# Altium PCB MOTHER_BOARD_LS1021_v1.0.PcbDoc (part 8 of 15)
Units mm, origin at the board's own origin, x right, y up, seen from the top; angles counter-clockwise.
Board outline 285 x 90.6 mm, 10 copper layers (TOP, GND1, SIGNAL1, GND+PWR1, POWER1, POWER2, GND+PWR2, SIGNAL2, GND2, BOTTOM), stack 1.739 mm thick; 1099 components, 832 nets, 4657 pads, 2737 vias.
Unrouted connection lines stored in the file: 7.
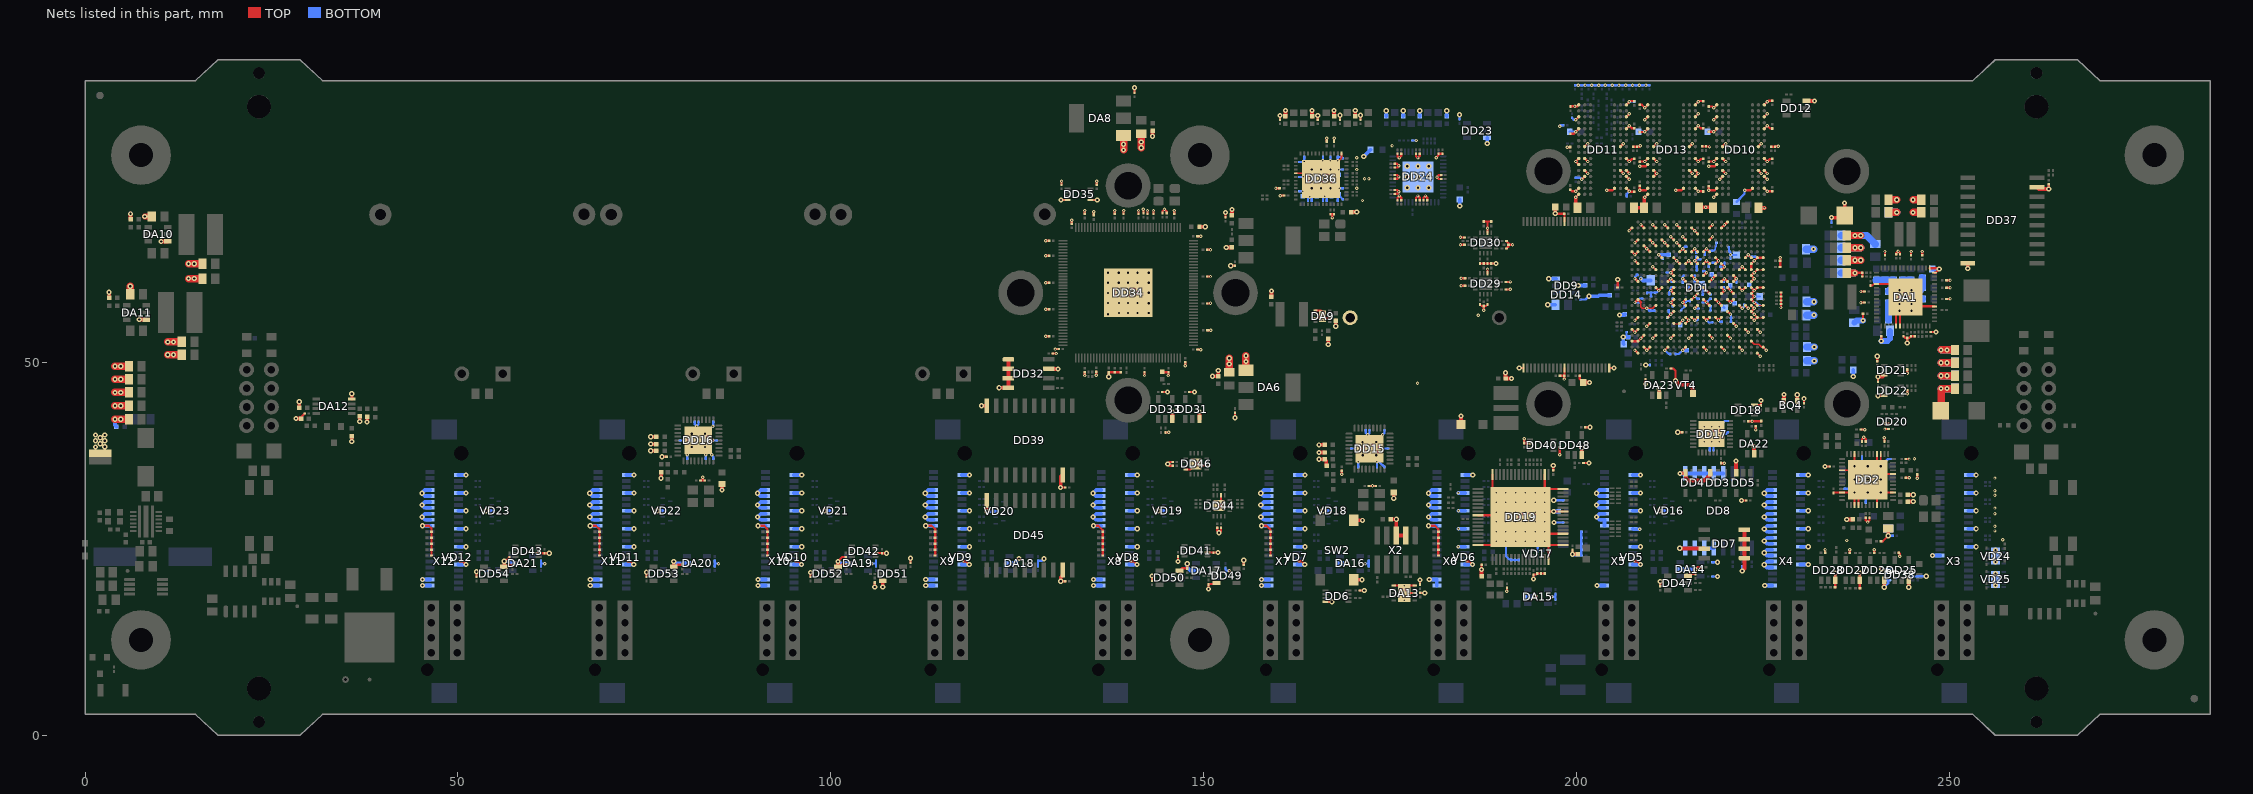
[diagram p16: the nets of this part, all layers, seen from the top]

## Via types
v1: diameter 0.45, hole 0.2, TOP to BOTTOM, tented both sides, 1587 vias
v2: diameter 0.7, hole 0.3, TOP to BOTTOM, tented both sides, 1134 vias
v3: diameter 0.45, hole 0.2, TOP to BOTTOM, tented bottom, 16 vias

## Nets (pads, with @x,y where several pads share a name; then routed paths per layer and width w, separated by ;. In a path a pad name is that pad's centre, name@x,y a point inside that pad or via, vN(x,y) a via of type N, cw(c..) or ccw(c..) an arc to the next point about the centre after c; other vN are vias at no path point) (continued)
GND: BQ4.1 BQ4.2 C1.1 C2.1 C3.2 C4.1 C5.2 C6.1 C7.2 C8.1 C9.1 C10.1 C11.1 C12.1 C13.1 C16.1 C17.1 C18.1 C19.1 C20.2 C21.1 C22.1 C23.1 C24.1 C28.1 C29.1 C30.1 C31.1 C32.1 C33.1 C34.1 C35.1 C36.1 C37.1 C38.1 C40.1 C41.1 C42.1 C43.1 C44.1 C45.1 C47.1 C49.1 C55.1 C57.2 C58.1 C59.1 C60.1 C61.1 C63.2 C64.2 C65.2 C66.1 C67.2 C68.2 C69.2 C70.1 C72.2 C73.1 C74.1 C75.1 C76.1 C77.1 C78.2 C79.2 C83.1 C85.2 C86.2 C88.2 C89.2 C90.1 C91.1 C92.2 C93.1 C94.1 C95.2 C96.2 C97.2 C98.2 C99.1 C100.2 C101.1 C102.1 C103.2 C104.2 C105.2 C106.2 C107.1 C108.2 C109.2 C110.1 C111.1 C112.1 C113.1 C114.1 C115.1 C116.1 C117.2 C118.1 C119.1 C120.1 C121.1 C122.1 C123.1 C124.2 C125.1 C126.1 C127.1 C128.1 C129.1 C130.1 C131.1 C132.2 C133.1 C134.2 C135.1 C136.2 C137.1 C138.2 C139.1 C140.1 C141.1 C142.1 C143.1 C144.1 C145.1 C146.2 C147.1 C148.2 C149.1 C150.2 C151.1 C152.2 C153.1 C154.1 C155.1 C156.1 C157.1 C158.1 C159.2 C160.1 C161.2 C162.1 C163.2 C164.1 C165.2 C166.2 C167.1 C168.1 C169.1 C170.1 C171.2 C172.1 C173.2 C174.1 C175.2 C176.1 C177.1 C178.2 C179.1 C180.1 C181.2 C182.1 C183.2 C184.1 C185.2 C186.1 C187.2 C188.1 C189.2 C190.1 C191.1 C192.1 C193.1 C194.1 C195.1 C196.1 C197.1 C198.1 C199.1 C200.1 C201.1 C202.1 C203.1 C204.2 C205.2 C206.1 C207.2 C208.2 C209.1 C210.2 C211.2 C212.2 C213.1 C214.1 C215.1 C216.2 C217.1 C218.1 C219.1 C220.2 C221.1 C222.1 C223.1 C224.1 C225.1 C226.1 C227.1 C228.1 C229.2 C230.1 C231.1 C232.2 C233.1 C234.1 C236.1 C237.2 C238.1 C239.1 C240.1 C241.2 C242.1 C243.1 C244.1 C245.1 C246.1 C247.1 C248.1 C249.1 C250.1 C251.1 C252.1 C253.1 C254.1 C255.1 C256.1 C257.1 C258.1 C259.1 C260.1 C261.1 C262.1 C263.1 C264.1 C265.1 C266.1 C267.1 C268.1 C269.1 C270.1 C271.2 C272.2 C273.2 C274.2 C275.2 C276.2 C277.2 C278.2 C279.2 C280.2 C281.2 C282.2 C283.2 C284.2 C285.2 C286.2 C287.2 C288.2 C289.1 C290.1 C291.2 C292.2 C293.2 C294.2 C295.2 C296.2 C297.2 C298.2 C299.2 C300.2 C301.2 C302.2 C303.1 C304.1 C305.2 C306.2 C307.2 C308.1 C310.1 C311.2 C312.2 C313.2 C314.2 C315.1 C316.2 C317.2 C318.2 C319.1 C320.1 C321.1 C323.2 C324.2 C325.2 C326.2 C327.2 C336.1 C337.1 C338.1 C339.1 C340.2 C342.1 C343.2 C344.2 C345.2 C346.2 C347.2 C348.2 C349.2 C350.2 C351.2 C352.2 C353.2 C354.2 C355.2 C356.2 C357.2 C358.2 C359.2 C360.2 C361.2 C362.2 C363.2 C364.2 C365.2 C366.2 C367.1 C368.2 C369.2 C370.2 C371.1 C372.1 C373.2 C374.1 C375.1 C376.1 C377.1 C378.1 C379.1 C380.1 C381.1 C382.1 C383.1 C384.1 C385.1 C386.1 C387.1 C388.1 C389.1 C390.1 C391.1 C392.1 C393.1 C394.1 C395.1 C396.2 C397.1 C398.1 C399.2 C400.1 C401.2 C402.1 C403.1 C404.1 C405.1 C406.1 C407.1 C408.2 C409.2 C410.2 C411.2 C412.1 C413.1 C414.1 C415.1 C416.1 C417.1 C418.1 C419.1 C420.2 C421.1 C430.1 C431.1 C432.1 C433.1 C434.1 C435.1 C436.1 C437.1 C438.1 C439.1 C440.1 C505.1 C506.2 C507.2 C508.2 C509.2 C510.2 C511.2 C512.2 C513.2 C514.2 C515.2 C516.2 C517.2 C518.2 C519.2 C520.2 C521.2 C522.2 C523.2 C524.2 C525.2 C526.2 C527.2 C528.2 C529.2 DA1.5 DA1.14 DA1.15 DA1.32 DA1.47 DA1.48 DA1.57 DA6.1 DA8.1 DA9.1 DA9.3 DA9.6 DA9.9 DA10.1 DA11.1 DA12.4 DA13.3 DA13.5 DA13.6 DA13.11 DA14.2 DA15.2 DA16.2 DA17.2 DA18.2 DA19.2 DA20.2 DA21.2 DA22.2 DA23.2 DD1.A3 DD1.A5 DD1.A18 DD1.A22 DD1.AA3 DD1.AA7 DD1.AA8 DD1.AA9 DD1.AA10 DD1.AA11 DD1.AA12 DD1.AA13 DD1.AA14 DD1.AA15 DD1.AA16 DD1.AA17 DD1.AB1 DD1.AB5 DD1.AB7 DD1.AB9 DD1.AB12 DD1.AB15 DD1.AB17 DD1.AC2 DD1.AC7 DD1.AC9 DD1.AC12 DD1.AC15 DD1.AC17 DD1.B1 DD1.B3 DD1.B5 DD1.B7 DD1.B10 DD1.B13 DD1.B16 DD1.B18 DD1.B20 DD1.C2 DD1.C4 DD1.C19 DD1.C22 DD1.D2 DD1.D6 DD1.D18 DD1.D20 DD1.E4 DD1.E9 DD1.E12 DD1.E15 DD1.E19 DD1.E22 DD1.F12 DD1.F17 DD1.F20 DD1.G2 DD1.G7 DD1.G13 DD1.G19 DD1.G22 DD1.H4 DD1.H6 DD1.H8 DD1.H9 DD1.H10 DD1.H11 DD1.H12 DD1.H13 DD1.H14 DD1.H15 DD1.H17 DD1.H20 DD1.J6 DD1.J16 DD1.J18 DD1.J19 DD1.J22 DD1.K2 DD1.K6 DD1.K7 DD1.K9 DD1.K10 DD1.K13 DD1.K16 DD1.K18 DD1.K20 DD1.L4 DD1.L7 DD1.L10 DD1.L12 DD1.L14 DD1.L16 DD1.L18 DD1.L22 DD1.M7 DD1.M9 DD1.M11 DD1.M13 DD1.M16 DD1.M17 DD1.M18 DD1.M21 DD1.N2 DD1.N7 DD1.N10 DD1.N12 DD1.N14 DD1.N16 DD1.N18 DD1.P4 DD1.P7 DD1.P9 DD1.P11 DD1.P13 DD1.P16 DD1.P18 DD1.P20 DD1.P22 DD1.R7 DD1.R10 DD1.R14 DD1.R16 DD1.R17 DD1.T2 DD1.T7 DD1.T9 DD1.T11 DD1.T12 DD1.T13 DD1.T15 DD1.T16 DD1.T22 DD1.U4 DD1.U8 DD1.U10 DD1.U12 DD1.U13 DD1.U23 DD1.V6 DD1.V10 DD1.V11 DD1.V13 DD1.V14 DD1.W2 DD1.W9 DD1.W12 DD1.W15 DD1.Y5 DD1.Y9 DD1.Y12 DD1.Y15 DD1.Y17 DD2.3 DD2.8 DD2.15 DD2.16 DD2.22 DD2.28 DD2.34 DD2.39 DD2.40 DD2.45 DD2.49 DD3.3 DD4.3 DD5.3 DD6.4 DD7.1 DD7.2 DD7.3 DD7.4 DD7.7 DD8.5 DD8.6 DD8.7 DD8.8 DD8.9 DD8.10 DD8.11 DD8.12 DD8.13 DD9.3 DD10.A9 DD10.B1 DD10.B3 DD10.B9 DD10.D1 DD10.D8 DD10.E1 DD10.E2 DD10.E8 DD10.F9 DD10.G1 DD10.G8 DD10.G9 DD10.J2 DD10.J8 DD10.M1 DD10.M9 DD10.P1 DD10.P9 DD10.T1 DD10.T9 DD11.A9 DD11.B1 DD11.B3 DD11.B9 DD11.D1 DD11.D8 DD11.E1 DD11.E2 DD11.E8 DD11.F9 DD11.G1 DD11.G8 DD11.G9 DD11.J2 DD11.J8 DD11.M1 DD11.M9 DD11.P1 DD11.P9 DD11.T1 DD11.T9 DD12.3 DD13.A9 DD13.B1 DD13.B3 DD13.B9 DD13.D1 DD13.D8 DD13.E1 DD13.E2 DD13.E8 DD13.F9 DD13.G1 DD13.G8 DD13.G9 DD13.J2 DD13.J8 DD13.M1 DD13.M9 DD13.P1 DD13.P9 DD13.T1 DD13.T9 DD14.13 DD14.25 DD14.36 DD14.48 DD15.37 DD16.37 DD17.33 DD18.3 DD19.16 DD19.17 DD19.20 DD19.26 DD19.32 DD19.34 DD19.48 DD19.56 DD19.64 DD19.65 DD20.1 DD21.3 DD22.3 DD23.3 DD24.49 DD25.3 DD26.3 DD27.3 DD28.3 DD29.6 DD30.6 DD31.3 DD32.1 DD32.2 DD32.3 DD32.4 DD32.7 DD33.3 DD34.145 DD35.4 DD35.5 DD36.13 DD36.29 DD36.49 DD37.10 DD37.19 DD38.1 DD38.4 DD38.7 DD39.10 DD39.19 DD40.2 DD41.2 DD42.2 DD43.2 DD44.6 DD44.17 DD45.10 DD45.19 DD46.6 DD46.16 DD46.17 DD47.3 DD48.3 DD49.3 DD50.3 DD51.3 DD52.3 DD53.3 DD54.3 K1.2 R15.2 R16.1 R18.1 R19.1 R21.2 R28.1 R33.2 R35.2 R37.2 R38.2 R39.1 R40.1 R41.1 R52.2 R53.2 R56.2 R61.1 R62.2 R68.1 R69.1 R70.1 R71.1 R87.2 R91.1 R92.1 R94.1 R95.1 R99.1 R143.1 R144.1 R145.1 R146.1 R147.1 R148.1 R149.1 R150.1 R151.1 R152.1 R159.1 R160.1 R165.1 R166.1 R167.1 R168.1 R169.1 R170.1 R171.1 R172.1 R175.1 R176.2 R178.2 R180.1 R200.1 R201.1 R202.1 R205.1 R207.1 R209.1 R222.2 R223.2 R224.2 R225.2 R230.2 R236.2 R241.1 R244.1 R247.1 R248.2 R249.2 R250.2 R251.2 R252.2 R253.2 R254.2 R255.2 R256.2 R257.2 R258.2 R259.2 R260.2 R261.2 R262.2 R263.2 R264.2 R265.2 R266.2 R267.2 R269.1 R274.1 R276.1 R277.1 R279.1 R280.2 R281.2 R282.2 R288.2 R290.2 R299.1 R300.1 R301.1 R302.1 R303.1 R304.1 R305.1 R306.1 R307.1 R308.1 R309.1 R310.1 R311.1 R312.1 R313.1 R315.1 R316.1 R317.1 R318.1 R319.1 R329.1 R331.1 R333.1 R335.1 R337.1 R338.1 R339.1 R340.1 R341.1 R342.1 R343.1 R344.1 R345.1 R346.1 R348.1 R350.1 R352.1 R354.1 R355.1 R356.1 R357.1 R358.1 R359.1 R360.1 R361.1 R362.1 R363.1 R364.1 SW2.2 SW2.4 VD5.4 VD6.4 VD7.4 VD8.4 VD9.4 VD10.4 VD11.4 VD12.4 VD14.2 VD16.3 VD17.3 VD18.3 VD19.3 VD20.3 VD21.3 VD22.3 VD23.3 VD24.11 VD25.11 VT4.2 X1.2 X2.3 X2.5 X3.11 X3.16 X3.22 X3.28 X3.34 X3.40 X4.1 X4.7 X4.9 X4.10 X4.11 X4.13 X4.15 X4.16 X4.17 X4.19 X4.21 X4.22 X4.23 X4.25 X4.27 X4.28 X4.29 X4.31 X4.33 X4.34 X4.40 X5.1 X5.10 X5.16 X5.21 X5.22 X5.23 X5.25 X5.27 X5.28 X5.29 X5.31 X5.33 X5.34 X5.40 X6.1 X6.3 X6.10 X6.16 X6.21 X6.22 X6.23 X6.25 X6.27 X6.28 X6.29 X6.31 X6.33 X6.34 X6.40 X7.1 X7.3 X7.10 X7.16 X7.21 X7.22 X7.23 X7.25 X7.27 X7.28 X7.29 X7.31 X7.33 X7.34 X7.40 X8.1 X8.3 X8.10 X8.16 X8.21 X8.22 X8.23 X8.25 X8.27 X8.28 X8.29 X8.31 X8.33 X8.34 X8.40 X9.1 X9.3 X9.10 X9.16 X9.21 X9.22 X9.23 X9.25 X9.27 X9.28 X9.29 X9.31 X9.33 X9.34 X9.40 X10.1 X10.3 X10.10 X10.16 X10.21 X10.22 X10.23 X10.25 X10.27 X10.28 X10.29 X10.31 X10.33 X10.34 X10.40 X11.1 X11.3 X11.10 X11.16 X11.21 X11.22 X11.23 X11.25 X11.27 X11.28 X11.29 X11.31 X11.33 X11.34 X11.40 X12.1 X12.3 X12.10 X12.16 X12.21 X12.22 X12.23 X12.25 X12.27 X12.28 X12.29 X12.31 X12.33 X12.34 X12.40 | length 976
  TOP w0.15: DD1.H6@213.075,55.225 DD1.J6@213.85,55.225 ; DD1.AB9@224.25,57.65 DD1.AC9@225.05,57.65 ; DD1.AB15@224.25,62.45 DD1.AC15@225.05,62.45 ; DD1.AB7@224.3,56 DD1.AC7@225,56
  TOP w0.17: 208.65,58.05 208.65,57.45 208.85,57.25 v1(209.45,57.25) 210.25,57.25 DD1.E9@210.65,57.65 ; DD1.AA3@223.45,52.85 223.85,52.45 224.425,52.45 224.825,52.05 DD1.AC2@225.05,52.05
  TOP w0.25: DD46.16@147.6,35.65 148.25,35.65 v1(148.525,35.925) ; v1(149.475,35.925) 149.7,36.15 DD46.6@150.4,36.15 ; DD44.17@152.075,30.8 152.325,31.05 DD44.6@152.325,32.2 ; DD36.29@162.35,75.375 165,75.375 v2(165.75,74.625) ; DA9.3@165,55.95 165.7,55.95 DA9.9@165.95,56.2 166.2,55.95 DA9.6@166.9,55.95 ; DA9.1@165,56.95 165.775,56.95 165.95,56.775 v1(165.95,56.75) ; DD36.49@167.35,76.275 168.5,77.425 DD36.13@168.5,78.025 ; DA13.6@175.525,20.075 176.875,20.075 v1(176.925,20.025) 176.975,20.075 DA13.5@178.325,20.075 ; v1(177.5,19.075) DA13.3@178.325,19.075 ; R258.2@187.075,57.775 187.275,57.575 C367.1@187.575,57.575 187.875,57.575 R253.2@188.075,57.775 ; DD29.6@188.075,61.95 v1(188.075,62.525) ; DD30.6@188.075,67.425 v1(188.075,68) ; C201.1@234.475,32.5 234.475,32.525 234.5,32.55 DD2.34@235.625,32.55 v2(237.3,32.55) ; DD2.28@235.625,35.55 237.8,35.55 v2(239.05,34.3) ; DD2.39@237.3,30.875 v2(237.3,32.55) ; v2(237.3,36.075) DD2.22@237.3,37.725 ; DD2.40@237.8,30.875 237.8,32.05 v2(237.3,32.55) ; C55.1@239.45,60.325 239.7,60.325 239.9,60.525 DA1.32@240.25,60.525 242.375,60.525 v2(244.125,58.775) ; DD2.45@240.3,30.875 240.3,33.05 v2(239.05,34.3) ; DD2.16@240.3,37.725 DD2.49@240.3,35.55 ; v2(240.8,32.55) DD2.3@242.475,32.55 ; DD2.15@240.8,37.725 240.8,36.05 DD2.49@240.3,35.55 ; DD2.8@242.475,35.05 DD2.49@239.8,35.05 ; DA1.47@242.875,54.9 242.875,56.475 v2(243.325,56.925) 243.375,56.875 DA1.48@243.375,54.9 ; v2(239.05,34.3) DD2.49@239.8,35.05 ; DD2.49@239.8,35.05 DD2.49@240.3,35.55
  TOP w0.3: C91.1@29,42.525 29,42.7 C90.1@29.45,43.15 ; v2(45.25,28.1) 46.1,28.1 46.475,27.725 R364.1@46.475,27.3 R363.1@46.475,26.5 R362.1@46.475,25.7 R361.1@46.475,24.9 R360.1@46.475,24.1 ; VD12.4@50.225,23.35 50.625,23.35 v2(51.075,22.9) ; C528.2@52.5,21.25 v2(52.5,21.925) ; DD54.3@56.2,22.6 56.425,22.6 56.675,22.85 R354.1@57.325,22.85 ; v2(56.2,23.35) 56.277,23.427 56.427,23.427 56.875,23.875 56.9,23.875 C515.2@56.9,23.9 ; DD43.2@60.825,24.45 61.075,24.45 61.1,24.425 C510.2@61.625,24.425 v2(62.25,24.425) ; v2(67.75,28.1) 68.5,28.1 68.975,27.625 R359.1@68.975,27.3 R358.1@68.975,26.5 R357.1@68.975,25.709 R356.1@68.975,24.9 R355.1@68.975,24.1 ; VD11.4@72.725,23.35 73.125,23.35 v2(73.575,22.9) ; C527.2@75.3,21.25 v2(75.3,21.875) ; v2(77.375,37.35) C290.1@77.975,37.35 ; DD53.3@78.95,22.6 79.175,22.6 79.45,22.875 R352.1@80.1,22.875 ; C300.2@82.525,34.175 82.822,34.175 ; v1(82.822,34.597) 82.822,34.175 ; C299.2@83.125,34.175 82.822,34.175 ; v2(90.25,28.1) 91.075,28.1 91.5,27.675 R346.1@91.5,27.3 R345.1@91.5,26.5 R344.1@91.5,25.7 R343.1@91.5,24.9 R342.1@91.5,24.1 ; VD10.4@95.225,23.35 95.625,23.35 v2(96.075,22.9) ; C526.2@97.3,21.25 v2(97.3,21.85) ; DD52.3@100.975,22.6 101.2,22.6 101.5,22.9 R350.1@102.1,22.9 ; v2(100.975,23.325) 101.55,23.9 C514.2@102.025,23.9 ; v2(105.9,19.875) R348.1@105.9,20.475 ; DD42.2@105.975,24.45 106.85,24.45 C509.2@106.875,24.425 v2(107.475,24.425) ; C525.2@110.7,23.15 v2(110.7,23.75) ; v2(112.75,28.1) 113.525,28.1 114,27.625 R341.1@114,27.3 R340.1@114,26.5 R339.1@114,25.7 R338.1@114,24.9 R337.1@114,24.1 ; VD9.4@117.725,23.35 118.125,23.35 v2(118.575,22.9) ; v1(128.825,53.525) C394.1@129.275,53.525 ; v1(128.825,57.125) C391.1@129.275,57.125 ; v1(128.825,60.7) C389.1@129.275,60.7 ; v1(128.825,64.325) C386.1@129.275,64.325 ; v1(128.825,66.325) C384.1@129.275,66.325 ; C368.2@129.775,51.2 v1(130.225,51.2) ; v1(130.125,51.8) C381.1@130.575,51.8 ; v2(130.825,33.225) C511.2@131.425,33.225 ; v2(130.85,20.65) C517.2@131.45,20.65 ; v2(130.875,71.8) DD35.4@131.75,71.8 ; C401.2@130.95,73.85 v1(130.95,74.3) ; C388.1@132.325,68.625 v1(132.325,69.075) ; v1(134.075,48.25) C376.1@134.075,48.7 ; C398.1@134.075,69.925 v1(134.075,70.375) ; DD35.5@134.85,71.8 v2(135.725,71.8) ; v2(135.25,28.1) 135.875,28.1 136.475,27.5 R319.1@136.475,27.3 R318.1@136.475,26.5 R317.1@136.475,25.7 R316.1@136.475,24.9 R315.1@136.475,24.1 ; R276.1@135.275,69.775 v1(135.275,70.225) ; v1(135.6,48.3) C400.1@135.6,48.75 ; C529.2@135.675,73.85 v1(135.675,74.3) ; v2(137.275,48.075) R274.1@137.275,48.675 138.075,48.675 C397.1@138.075,48.7 C379.1@138.875,48.7 ; C396.2@138.075,69.925 v1(138.075,70.375) ; C390.1@139.275,69.925 v1(139.275,70.375) ; VD8.4@140.225,23.35 140.625,23.35 v2(141.075,22.9) ; C65.2@140.725,86.175 v2(140.725,86.85) ; C399.2@141.275,69.925 v1(141.275,70.375) ; R279.1@141.925,70.075 v1(141.925,70.525) ; v1(142.075,48.25) C392.1@142.075,48.7 ; C385.1@142.475,69.925 v1(142.475,70.375) ; C524.2@143.075,20.725 v2(143.075,21.35) ; C393.1@143.275,69.925 v1(143.275,70.375) ; C373.2@144.45,48.775 144.525,48.7 C395.1@145.275,48.7 v1(145.275,48.25) ; C369.2@144.475,46.025 v2(145.15,46.025) ; C371.1@144.475,70.05 144.475,70.275 v1(144.75,70.55) 145.05,70.25 C372.1@145.05,70.05 ; R269.1@144.875,40.625 v1(145.325,40.625) ; C518.2@145.85,36.15 145.45,36.15 v2(145.2,36.4) 145.45,36.65 C520.2@145.85,36.65 ; C387.1@146.075,69.925 v1(146.075,70.375) ; v2(146.55,23.325) C513.2@146.55,23.975 ; DD50.3@146.775,22.075 147.1,22.4 R335.1@147.8,22.4 v2(147.8,23) ; v1(147.525,49.575) C382.1@147.525,50.025 ; C370.2@148.1,46.025 v2(148.775,46.025) ; C375.1@149.175,51.725 v1(149.625,51.725) ; C378.1@149.175,66.925 v1(149.625,66.925) ; C377.1@150.475,57.925 v1(150.925,57.925) ; C380.1@150.475,61.525 v1(150.925,61.525) ; C383.1@150.475,65.125 v1(150.925,65.125) ; DD41.2@150.525,24.525 151.3,24.525 C508.2@151.325,24.5 v2(151.925,24.5) ; C374.1@150.525,54.325 v1(150.975,54.325) ; v2(150.65,19.625) R333.1@150.65,20.225 150.7,20.275 151.725,20.275 DD49.3@151.725,20.425 ; C519.2@151.825,27.825 151.825,27.4 v2(152.075,27.15) 152.325,27.4 C516.2@152.325,27.825 ; C68.2@152.925,69.475 v2(152.925,70.125) ; v2(153.65,62.975) C64.2@154.225,62.975 ; v2(154.225,42.575) C63.2@154.225,43.275 ; C523.2@155.375,22.875 v2(155.375,23.475) ; v2(157.75,28.1) 158.425,28.1 158.975,27.55 R313.1@158.975,27.3 R312.1@158.975,26.5 R311.1@158.975,25.7 R310.1@158.975,24.9 R309.1@158.975,24.1 ; v1(159.708,73.354) 160.129,73.354 R288.2@160.15,73.375 ; C408.2@160.25,82.55 v2(160.25,83.125) ; v1(160.3,72.375) R282.2@160.75,72.375 ; VD7.4@162.725,23.35 163.125,23.35 v2(163.575,22.9) ; C411.2@165.3,82.55 v2(165.3,83.125) ; DD6.4@166.35,17.925 v2(167.2,17.925) ; R280.2@166.5,79.625 v1(166.5,80.075) ; C403.1@167,69.9 167.25,69.9 ; v1(167.25,69.375) 167.25,69.9 ; C402.1@167.5,69.9 167.25,69.9 ; R281.2@167.5,79.625 v1(167.5,80.075) ; C409.2@168.275,82.575 v2(168.275,83.15) ; v1(168.525,35.025) C289.1@168.525,35.475 ; C209.1@170.95,19.425 v2(171.55,19.425) ; C410.2@171.05,82.575 v2(171.05,83.15) ; C298.2@172.175,33.45 v1(172.65,33.45) C297.2@173.075,33.45 ; C344.2@175.65,72.625 176,72.625 176.2,72.825 v1(176.2,72.875) 175.95,73.125 C348.2@175.65,73.125 ; C350.2@175.65,74.625 176,74.625 176.2,74.825 v1(176.2,74.875) 175.95,75.125 C346.2@175.65,75.125 ; C356.2@175.65,76.15 176,76.15 176.2,76.35 v1(176.2,76.4) 175.95,76.65 C352.2@175.65,76.65 ; C357.2@176,71.775 176,72.075 v1(176.25,72.325) 176.3,72.325 176.5,72.125 C353.2@176.5,71.775 ; C349.2@176,77.975 176,77.625 176.2,77.425 v1(176.25,77.425) 176.5,77.675 C345.2@176.5,77.975 ; C360.2@178.5,71.775 178.5,72.075 v1(178.75,72.325) 178.8,72.325 179,72.125 C362.2@179,71.775 ; C343.2@178.5,77.975 178.5,77.625 178.7,77.425 v1(178.75,77.425) 179,77.675 C347.2@179,77.975 ; C212.2@179.025,20.225 v2(179.025,20.825) ; C211.2@179.05,19.1 v2(179.65,19.1) ; C361.2@179.5,71.775 179.5,72.075 v1(179.75,72.325) 179.8,72.325 180,72.125 C359.2@180,71.775 ; v2(180.175,28.1) 181.025,28.1 181.475,27.65 R308.1@181.475,27.3 R307.1@181.475,26.5 R306.1@181.475,25.725 R305.1@181.475,24.9 R304.1@181.475,24.1 ; v1(181.175,77.475) 181.5,77.8 C358.2@181.5,78 C354.2@182.025,78 ; C351.2@181.85,74.6 181.55,74.6 v1(181.3,74.85) 181.3,74.9 181.5,75.1 C355.2@181.85,75.1 ; v1(184.45,65.775) R267.2@185,65.775 ; v1(184.45,66.775) R264.2@185,66.775 ; v1(184.525,60.3) R259.2@185.075,60.3 ; v1(184.525,61.3) R256.2@185.075,61.3 ; VD6.4@185.225,23.35 185.625,23.35 v2(186.075,22.9) ; DD19.64@186.8,25.525 188.75,25.525 v1(189.25,26.025) ; DD19.56@186.8,29.525 188.85,29.525 v1(189.25,29.925) ; R266.2@187.075,63.275 R261.2@188.075,63.275 v2(189.225,63.275) ; v2(187.275,22.225) C311.2@187.275,22.875 ; v1(187.575,57.025) C367.1@187.575,57.575 ; R265.2@187.575,68.9 188.075,68.9 ; v1(188.075,68) 188.075,68.9 ; R262.2@188.575,68.9 188.075,68.9 ; DD19.48@188.75,34.975 188.75,33.025 DD19.65@192.5,29.275 ; R252.2@190.575,59.8 v1(191.125,59.8) ; R255.2@190.575,60.8 v1(191.125,60.8) ; R260.2@190.6,65.275 190.875,65.55 R247.1@190.875,65.775 ; R263.2@190.6,66.275 190.875,66 R247.1@190.875,65.775 ; v1(190.675,19.3) C317.2@190.675,19.775 ; v1(191.425,65.775) R247.1@190.875,65.775 ; v2(192.325,49.25) DD14.25@192.9,49.25 ; v1(193,39.791) C507.2@193,39.2 193.025,39.175 DD40.2@193.8,39.175 ; v2(194.25,20.95) C314.2@194.25,21.55 194.6,21.55 R207.1@194.75,21.7 R209.1@195.25,21.7 R205.1@195.75,21.7 ; v1(195.75,26.025) DD19.65@196.25,25.525 ; v1(195.75,27.325) 196.05,27.025 DD19.20@198.2,27.025 ; v1(195.75,29.925) 195.95,29.925 196.05,30.025 DD19.26@198.2,30.025 ; DD19.34@195.75,34.975 v1(195.75,32.525) 196.25,33.025 DD19.32@198.2,33.025 ; DD19.16@196.25,23.575 DD19.65@196.25,25.525 ; C318.2@196.9,35.525 v2(196.9,36.2) ; v2(197.15,69.975) 197.175,69.95 C267.1@198.375,69.95 198.4,69.925 DD14.13@198.4,68.9 ; v1(197.775,37.608) C512.2@197.775,38.625 ; C266.1@197.794,48.225 C265.1@198.375,48.225 ; DD19.17@198.2,25.525 DD19.65@196.25,25.525 ; v1(198.375,47.775) C265.1@198.375,48.225 ; DD14.36@198.4,49.25 198.4,48.25 C265.1@198.375,48.225 ; v1(198.75,78.85) 199.125,78.85 C244.1@199.175,78.9 ; C234.1@199.175,73.175 199.4,72.95 v1(199.9,72.95) DD11.B9@200.3,73.35 ; C240.1@199.2,80.675 199.625,80.675 199.65,80.7 v1(199.9,80.95) DD11.M9@200.3,81.35 ; C236.1@199.2,84.325 199.25,84.375 v1(199.8,84.375) 200.125,84.375 DD11.T9@200.3,84.55 ; v2(199.475,24.275) C312.2@199.475,24.85 ; v1(199.9,72.15) DD11.A9@200.3,72.55 ; v1(199.9,82.55) DD11.P9@200.3,82.95 ; DD11.F9@200.3,76.55 v1(199.9,76.95) DD11.G9@200.3,77.35 ; C268.1@200.431,48.225 200.431,47.794 C270.1@200.9,47.325 ; v1(200.7,74.55) DD11.D8@201.1,74.95 ; R331.1@200.975,36.525 v2(201.675,36.525) ; DD11.E8@201.1,75.75 v1(201.5,75.35) ; DD11.G8@201.1,77.35 v1(201.5,76.95) ; DD11.J8@201.1,78.95 v1(201.5,79.35) ; C522.2@201.175,41.3 v2(201.8,41.3) ; v1(204.05,73.1) 204.85,73.1 DD11.B3@205.1,73.35 ; DD14.48@204.4,49.25 v2(205.025,49.25) ; R251.2@205.525,60.05 v2(205.525,61.125) ; DD11.E2@205.9,75.75 v1(206.3,75.35) ; DD11.J2@205.9,78.95 v1(206.3,79.35) ; DD11.B1@206.7,73.35 v1(207.1,72.95) 207.15,72.9 C248.1@207.75,72.9 ; DD11.D1@206.7,74.95 v1(207.1,74.55) ; DD11.E1@206.7,75.75 v1(207.1,75.35) ; DD11.G1@206.7,77.35 v1(207.1,76.95) 207.45,77.3 C230.1@207.75,77.3 ; DD11.M1@206.7,81.35 v1(207.1,81.75) 207.425,81.425 C233.1@207.75,81.425 ; DD11.P1@206.7,82.95 v1(207.1,83.35) ; DD11.T1@206.7,84.55 v1(207.1,84.95) 207.2,85.05 C246.1@207.75,85.05 ; v1(207.05,67.65) DD1.A22@207.45,68.05 ; DD1.A3@207.45,52.85 DD1.B3@208.25,52.85 v1(208.65,53.25) DD1.C4@209.05,53.65 ; DD1.A5@207.45,54.45 v1(207.85,54.05) DD1.B5@208.25,54.45 ; DD1.A18@207.45,64.85 v1(207.85,64.45) DD1.B18@208.25,64.85 ; C223.1@207.625,78.925 C219.1@208.125,78.925 208.425,78.925 v1(208.55,79.05) ; VD5.4@207.725,23.35 208.125,23.35 v2(208.575,22.9) ; v1(207.85,51.65) DD1.B1@208.25,51.25 ; v1(207.85,55.65) DD1.B7@208.25,56.05 ; v1(207.85,58.05) DD1.B10@208.25,58.45 208.65,58.05 ; v1(207.85,61.25) DD1.B13@208.25,60.85 ; v1(207.85,63.65) DD1.B16@208.25,63.25 ; v1(207.85,66.05) DD1.B20@208.25,66.45 ; C247.1@208.5,73.675 v1(208.5,73.1) 209.3,73.1 DD13.B9@209.55,73.35 ; v1(208.5,76.3) 209.3,76.3 DD13.F9@209.55,76.55 ; C249.1@208.5,76.925 208.525,76.95 v1(209.15,76.95) DD13.G9@209.55,77.35 ; C250.1@208.5,80.9 209.1,80.9 v1(209.15,80.95) DD13.M9@209.55,81.35 ; C251.1@208.5,84.55 208.75,84.55 v1(209.15,84.15) DD13.T9@209.55,84.55 ; v1(208.65,68.45) DD1.C22@209.05,68.05 ; DD1.C2@209.05,52.05 v1(209.45,51.65) DD1.D2@209.85,52.05 ; DD1.C19@209.05,65.65 v1(209.45,65.25) DD1.D18@209.85,64.85 ; v1(209.15,72.15) DD13.A9@209.55,72.55 ; v1(209.15,82.55) DD13.P9@209.55,82.95 ; v2(209.25,47.125) C306.2@209.25,47.75 ; v1(209.45,54.85) DD1.D6@209.85,55.25 ; DD1.D20@209.85,66.45 v1(210.25,66.05) DD1.E19@210.65,65.65 ; v1(210.25,53.25) DD1.E4@210.65,53.65 ; v1(210.25,62.85) DD1.E15@210.65,62.45 ; v1(210.25,68.45) DD1.E22@210.65,68.05 ; DD13.D8@210.35,74.95 v1(210.75,75.35) DD13.E8@210.35,75.75 ; DD13.G8@210.35,77.35 v1(210.75,76.95) ; DD13.J8@210.35,78.95 v1(210.75,79.35) ; DD1.E12@210.65,60.05 v1(211.05,59.65) DD1.F12@211.45,60.05 ; v1(211.05,64.45) DD1.F17@211.45,64.05 ; C521.2@211.25,20.025 v2(211.25,20.625) ; DD1.F20@211.45,66.45 v1(211.85,66.05) DD1.G19@212.25,65.65 ; v1(211.85,51.65) DD1.G2@212.25,52.05 ; v1(211.85,68.45) DD1.G22@212.25,68.05 ; DD1.G7@212.25,56.05 v1(212.65,56.45) DD1.H8@213.05,56.85 ; DD1.G13@212.25,60.85 v1(212.65,61.25) DD1.H13@213.05,60.85 ; R175.1@212.65,49.2 212.95,49.2 213.275,48.875 v2(213.275,47.575) ; v1(212.65,53.25) DD1.H4@213.05,53.65 ; v1(212.65,66.85) DD1.H20@213.05,66.45 ; DD1.H6@213.05,55.25 DD1.H6@213.075,55.225 ; DD1.H9@213.05,57.65 v1(212.65,58.05) DD1.H10@213.05,58.45 ; DD1.H11@213.05,59.25 v1(212.65,59.65) DD1.H12@213.05,60.05 ; DD1.H14@213.05,61.65 v1(212.65,62.05) DD1.H15@213.05,62.45 ; DD1.H17@213.05,64.05 v1(213.45,63.65) DD1.J16@213.85,63.25 ; v1(213.3,73.1) 214.1,73.1 DD13.B3@214.35,73.35 ; v1(213.45,66.05) DD1.J19@213.85,65.65 ; v1(213.45,68.45) DD1.J22@213.85,68.05 ; v2(213.575,40.65) C303.1@214.2,40.65 ; DD1.J6@213.85,55.225 DD1.J6@213.85,55.25 v1(214.25,55.65) ; DD1.J18@213.85,64.85 v1(214.25,65.25) DD1.K18@214.65,64.85 ; v1(214.25,51.65) DD1.K2@214.65,52.05 ; v1(214.25,61.25) DD1.K13@214.65,60.85 ; v1(214.25,66.85) DD1.K20@214.65,66.45 ; DD1.K6@214.65,55.25 v1(215.05,55.65) DD1.K7@214.65,56.05 ; DD1.K9@214.65,57.65 v1(214.25,58.05) DD1.K10@214.65,58.45 ; DD1.K16@214.65,63.25 v1(215.05,63.65) DD1.L16@215.45,63.25 ; DD47.3@214.95,21.375 214.975,21.375 215.225,21.625 R329.1@215.95,21.625 v2(215.95,22.25) 216.25,22.55 C210.2@216.825,22.55 ; v1(215.05,53.25) DD1.L4@215.45,53.65 ; v1(215.05,59.65) DD1.L12@215.45,60.05 ; DD13.E2@215.15,75.75 v1(215.55,75.35) ; DD13.J2@215.15,78.95 v1(215.55,79.35) ; DD1.L7@215.45,56.05 v1(215.85,55.65) DD1.M7@216.25,56.05 ; DD1.L10@215.45,58.45 v1(215.85,58.85) DD1.M11@216.25,59.25 ; DD1.L14@215.45,61.65 v1(215.85,61.25) DD1.M13@216.25,60.85 ; DD1.L18@215.45,64.85 v1(215.85,65.25) DD1.M18@216.25,64.85 ; DD1.L22@215.45,68.05 v1(215.85,67.65) DD1.M21@216.25,67.25 ; v1(215.85,57.25) DD1.M9@216.25,57.65 ; DD13.B1@215.95,73.35 v1(216.35,72.95) 216.975,72.95 C252.1@217,72.925 ; DD13.D1@215.95,74.95 v1(216.35,75.35) DD13.E1@215.95,75.75 ; DD13.G1@215.95,77.35 v1(216.35,76.95) 216.7,77.3 C238.1@217,77.3 ; DD13.M1@215.95,81.35 v1(216.35,81.75) 216.675,81.425 C242.1@217,81.425 ; DD13.P1@215.95,82.95 v1(216.35,83.35) ; DD13.T1@215.95,84.55 v1(216.35,84.95) 216.45,85.05 C245.1@217,85.05 ; DD1.M16@216.25,63.25 v1(215.85,63.65) DD1.M17@216.25,64.05 ; C243.1@216.875,78.975 C239.1@217.375,78.975 217.775,78.975 v1(217.85,78.9) ; DD1.N2@217.05,52.05 v1(217.45,51.65) ; DD1.N7@217.05,56.05 v1(217.45,55.65) DD1.P7@217.85,56.05 ; DD1.N10@217.05,58.45 v1(217.45,58.05) DD1.P9@217.85,57.65 ; DD1.N12@217.05,60.05 v1(217.45,59.65) DD1.P11@217.85,59.25 ; DD1.N14@217.05,61.65 v1(217.45,62.05) ; DD1.N16@217.05,63.25 v1(217.45,63.65) DD1.P16@217.85,63.25 ; DD1.N18@217.05,64.85 v1(217.45,65.25) DD1.P18@217.85,64.85 ; C231.1@217.75,73.65 v1(217.75,73.1) 218.55,73.1 DD10.B9@218.8,73.35 ; v1(217.75,76.3) 218.55,76.3 DD10.F9@218.8,76.55 ; C227.1@217.75,80.9 217.8,80.95 v1(218.4,80.95) DD10.M9@218.8,81.35 ; C226.1@217.75,84.325 218.225,84.325 v1(218.4,84.15) DD10.T9@218.8,84.55 ; C228.1@217.762,76.887 217.825,76.95 v1(218.4,76.95) DD10.G9@218.8,77.35 ; DD1.P4@217.85,53.65 v1(218.25,53.25) ; DD1.P13@217.85,60.85 v1(218.25,61.25) DD1.R14@218.65,61.65 ; DD1.P20@217.85,66.45 v1(218.25,66.85) ; DD1.P22@217.85,68.05 v1(218.25,68.45) ; v1(218.4,72.15) DD10.A9@218.8,72.55 ; v1(218.4,82.55) DD10.P9@218.8,82.95 ; DD1.R7@218.65,56.05 v1(219.05,55.65) DD1.T7@219.45,56.05 ; DD1.R10@218.65,58.45 v1(219.05,58.05) DD1.T9@219.45,57.65 ; DD1.R16@218.65,63.25 v1(219.05,63.65) DD1.R17@218.65,64.05 ; v1(219.2,74.55) DD10.D8@219.6,74.95 ; R172.1@219.375,36.5 v1(219.8,36.5) ; DD1.T2@219.45,52.05 v1(219.85,51.65) ; DD1.T11@219.45,59.25 v1(219.85,59.65) DD1.T12@219.45,60.05 ; DD1.T13@219.45,60.85 v1(219.85,61.25) DD1.U13@220.25,60.85 ; DD1.T15@219.45,62.45 v1(219.85,62.85) DD1.T16@219.45,63.25 ; DD1.T22@219.45,68.05 v1(219.85,68.45) DD1.U23@220.25,68.85 ; DD10.E8@219.6,75.75 v1(220,75.35) ; DD10.G8@219.6,77.35 v1(220,76.95) ; DD10.J8@219.6,78.95 v1(220,79.35) ; DD1.U4@220.25,53.65 v1(220.65,53.25) ; DD1.U8@220.25,56.85 v1(220.65,56.45) ; DD1.U10@220.25,58.45 v1(220.65,58.05) DD1.V10@221.05,58.45 ; DD1.U12@220.25,60.05 v1(220.65,59.65) DD1.V11@221.05,59.25 ; DD1.V6@221.05,55.25 v1(221.45,54.85) ; DD1.V13@221.05,60.85 v1(221.45,61.25) DD1.V14@221.05,61.65 ; DD1.W2@221.85,52.05 v1(222.25,51.65) ; DD1.W9@221.85,57.65 v1(222.25,57.25) ; DD1.W12@221.85,60.05 v1(222.25,59.65) DD1.Y12@222.65,60.05 ; DD1.W15@221.85,62.45 v1(222.25,62.85) DD1.Y15@222.65,62.45 ; v2(222.15,31.5) C207.2@222.75,31.5 ; v1(222.55,73.1) 223.35,73.1 DD10.B3@223.6,73.35 ; DD1.Y5@222.65,54.45 v1(223.05,54.05) ; DD1.Y9@222.65,57.65 v1(223.05,57.25) ; DD1.Y17@222.65,64.05 v1(223.05,64.45) DD1.AA17@223.45,64.05 ; C308.1@223.05,42.125 v1(223.55,42.125) R171.1@224.775,42.125 ; DD1.AA7@223.45,56.05 v1(223.85,55.65) DD1.AB7@224.25,56.05 ; DD1.AA9@223.45,57.65 v1(223.85,57.25) DD1.AA8@223.45,56.85 v1(223.85,56.45) DD1.AB7@224.25,56.05 ; DD1.AA12@223.45,60.05 v1(223.85,59.65) ; DD1.AA13@223.45,60.85 v1(223.85,61.25) DD1.AA14@223.45,61.65 DD1.AB15@224.25,62.45 ; DD1.AA15@223.45,62.45 DD1.AA16@223.45,63.25 v1(223.85,63.65) DD1.AB17@224.25,64.05 DD1.AC17@225.05,64.05 ; DD18.3@223.875,44.275 223.9,44.25 R180.1@224.75,44.25 v2(224.75,44.9) ; v1(223.875,58.85) v1@223.85,58.85 ; v1(224.05,40.95) C301.2@224.05,41.45 ; DD1.AB1@224.25,51.25 v1(224.65,50.85) ; DD1.AB5@224.25,54.45 v1(224.65,54.05) ; DD1.AB9@224.25,57.65 v1(223.85,58.05) DD1.AA10@223.45,58.45 v1@223.85,58.85 ; DD1.AB7@224.3,56 DD1.AB7@224.25,56.05 ; DD10.E2@224.4,75.75 v1(224.8,75.35) ; DD10.J2@224.4,78.95 v1(224.8,79.35) ; DD1.AC7@225,56 DD1.AC7@225.05,56.05 ; DD1.AC2@225.05,52.05 v1(225.45,51.65) ; DD1.AC12@225.05,60.05 DD1.AB12@224.25,60.05 v1(223.85,59.65) ; DD10.B1@225.2,73.35 v1(225.6,72.95) C217.1@226.25,72.95 ; DD10.D1@225.2,74.95 v1(225.6,74.55) v1@225.625,74.575 ; DD10.E1@225.2,75.75 v1(225.6,75.35) ; DD10.G1@225.2,77.35 v1(225.6,76.95) 225.95,77.3 C221.1@226.25,77.3 ; DD10.M1@225.2,81.35 v1(225.6,81.75) 225.975,81.375 C224.1@226.25,81.375 ; DD10.P1@225.2,82.95 v1(225.6,83.35) ; DD10.T1@225.2,84.55 v1(225.6,84.95) 225.75,85.1 C225.1@226.25,85.1 ; C222.1@226.125,78.925 C218.1@226.625,78.925 226.7,79 v1(227.05,79) ; R68.1@227.325,62.8 R69.1@227.325,63.625 v1(227.325,64.075) ; v1(227.425,57.375) R223.2@227.425,57.825 R222.2@227.425,58.325 R225.2@227.425,58.85 R224.2@227.425,59.375 ; C310.1@230.525,44.525 v2(230.525,45.15) ; v2(233.325,36.05) C206.1@233.95,36.05 ; C366.2@233.341,24.47 v1(233.341,24.891) ; R244.1@234.691,19.845 234.691,20.791 DD28.3@234.7,20.8 v2(234.7,21.75) ; C365.2@236.65,24.45 v1(236.65,24.871) ; v2(237.35,62) 237.375,62.025 C40.1@238.35,62.025 C36.1@238.35,61.525 ; R241.1@238,19.725 v2(238,21.75) ; v1(238.15,58.025) C18.1@238.625,58.025 ; v1(238.15,59.525) C10.1@238.625,59.525 ; R56.2@238.175,41 v1(238.675,41) ; C200.1@238.3,39.4 238.3,39.7 v1(238.55,39.95) 238.8,39.7 C203.1@238.8,39.4 ; v2(238.425,55.625) C43.1@238.425,56.525 ; C202.1@238.8,29.2 238.8,28.85 v1(239.05,28.6) 239.3,28.85 C198.1@239.3,29.2 ; C364.2@239.95,24.45 v1(239.95,24.871) ; C323.2@240.325,50.15 v2(240.325,50.825) ; C324.2@240.425,47.4 v2(240.425,48.075) ; R52.2@240.85,26.025 241.075,26.025 v2(241.8,26.75) ; v2(240.875,52.875) C6.1@240.875,53.525 ; R53.2@241.3,39.425 v1(241.3,39.925) ; v1(241.375,41.075) C325.2@241.85,41.075 ; C42.1@241.375,64.4 v1(241.375,64.875) ; v1(241.4,41.775) DD20.1@241.875,41.775 ; C17.1@242.875,64.5 242.875,64.675 v1(243.125,64.925) 243.375,64.675 C9.1@243.375,64.5 ; C363.2@243.225,24.475 243.35,24.35 v1(243.35,24.025) ; C5.2@243.875,53.525 244.125,53.275 C7.2@244.375,53.275 ; v2(244.125,58.775) 245.375,57.525 DA1.5@248,57.525 ; C193.1@244.15,34.55 v1(244.625,34.55) ; C199.1@244.15,37.05 v1(244.6,37.05) ; v1(244.35,45.825) C327.2@244.35,46.3 ; v1(244.375,48.575) C326.2@244.375,49.05 ; v2(244.375,52.6) C7.2@244.375,53.275 ; C19.1@244.875,64.4 v1(244.875,64.875) ; C4.1@245.375,53.525 C3.2@244.875,53.525 244.625,53.275 C7.2@244.375,53.275 ; v1(245.7,34.45) R61.1@245.7,34.95 ; C41.1@246.375,64.4 v1(246.375,64.875) ; DA1.15@247.375,62.65 248.525,62.65 v2(248.65,62.525) 248.15,62.025 DA1.14@248,62.025 ; C20.2@247.5,54.075 v2(248.2,54.075) ; C1.1@249.625,58.525 v1(250.1,58.525) ; C8.1@249.625,60.025 v1(250.1,60.025) ; C16.1@249.625,61.025 v1(250.1,61.025) ; v2(263.325,73.25) C506.2@263.325,73.875 ; v1@223.85,58.85 DD1.AA11@223.45,59.25 v1(223.85,59.65)